# KiCad board poly_kb_molecule_5x4_wave.kicad_pcb (continued)
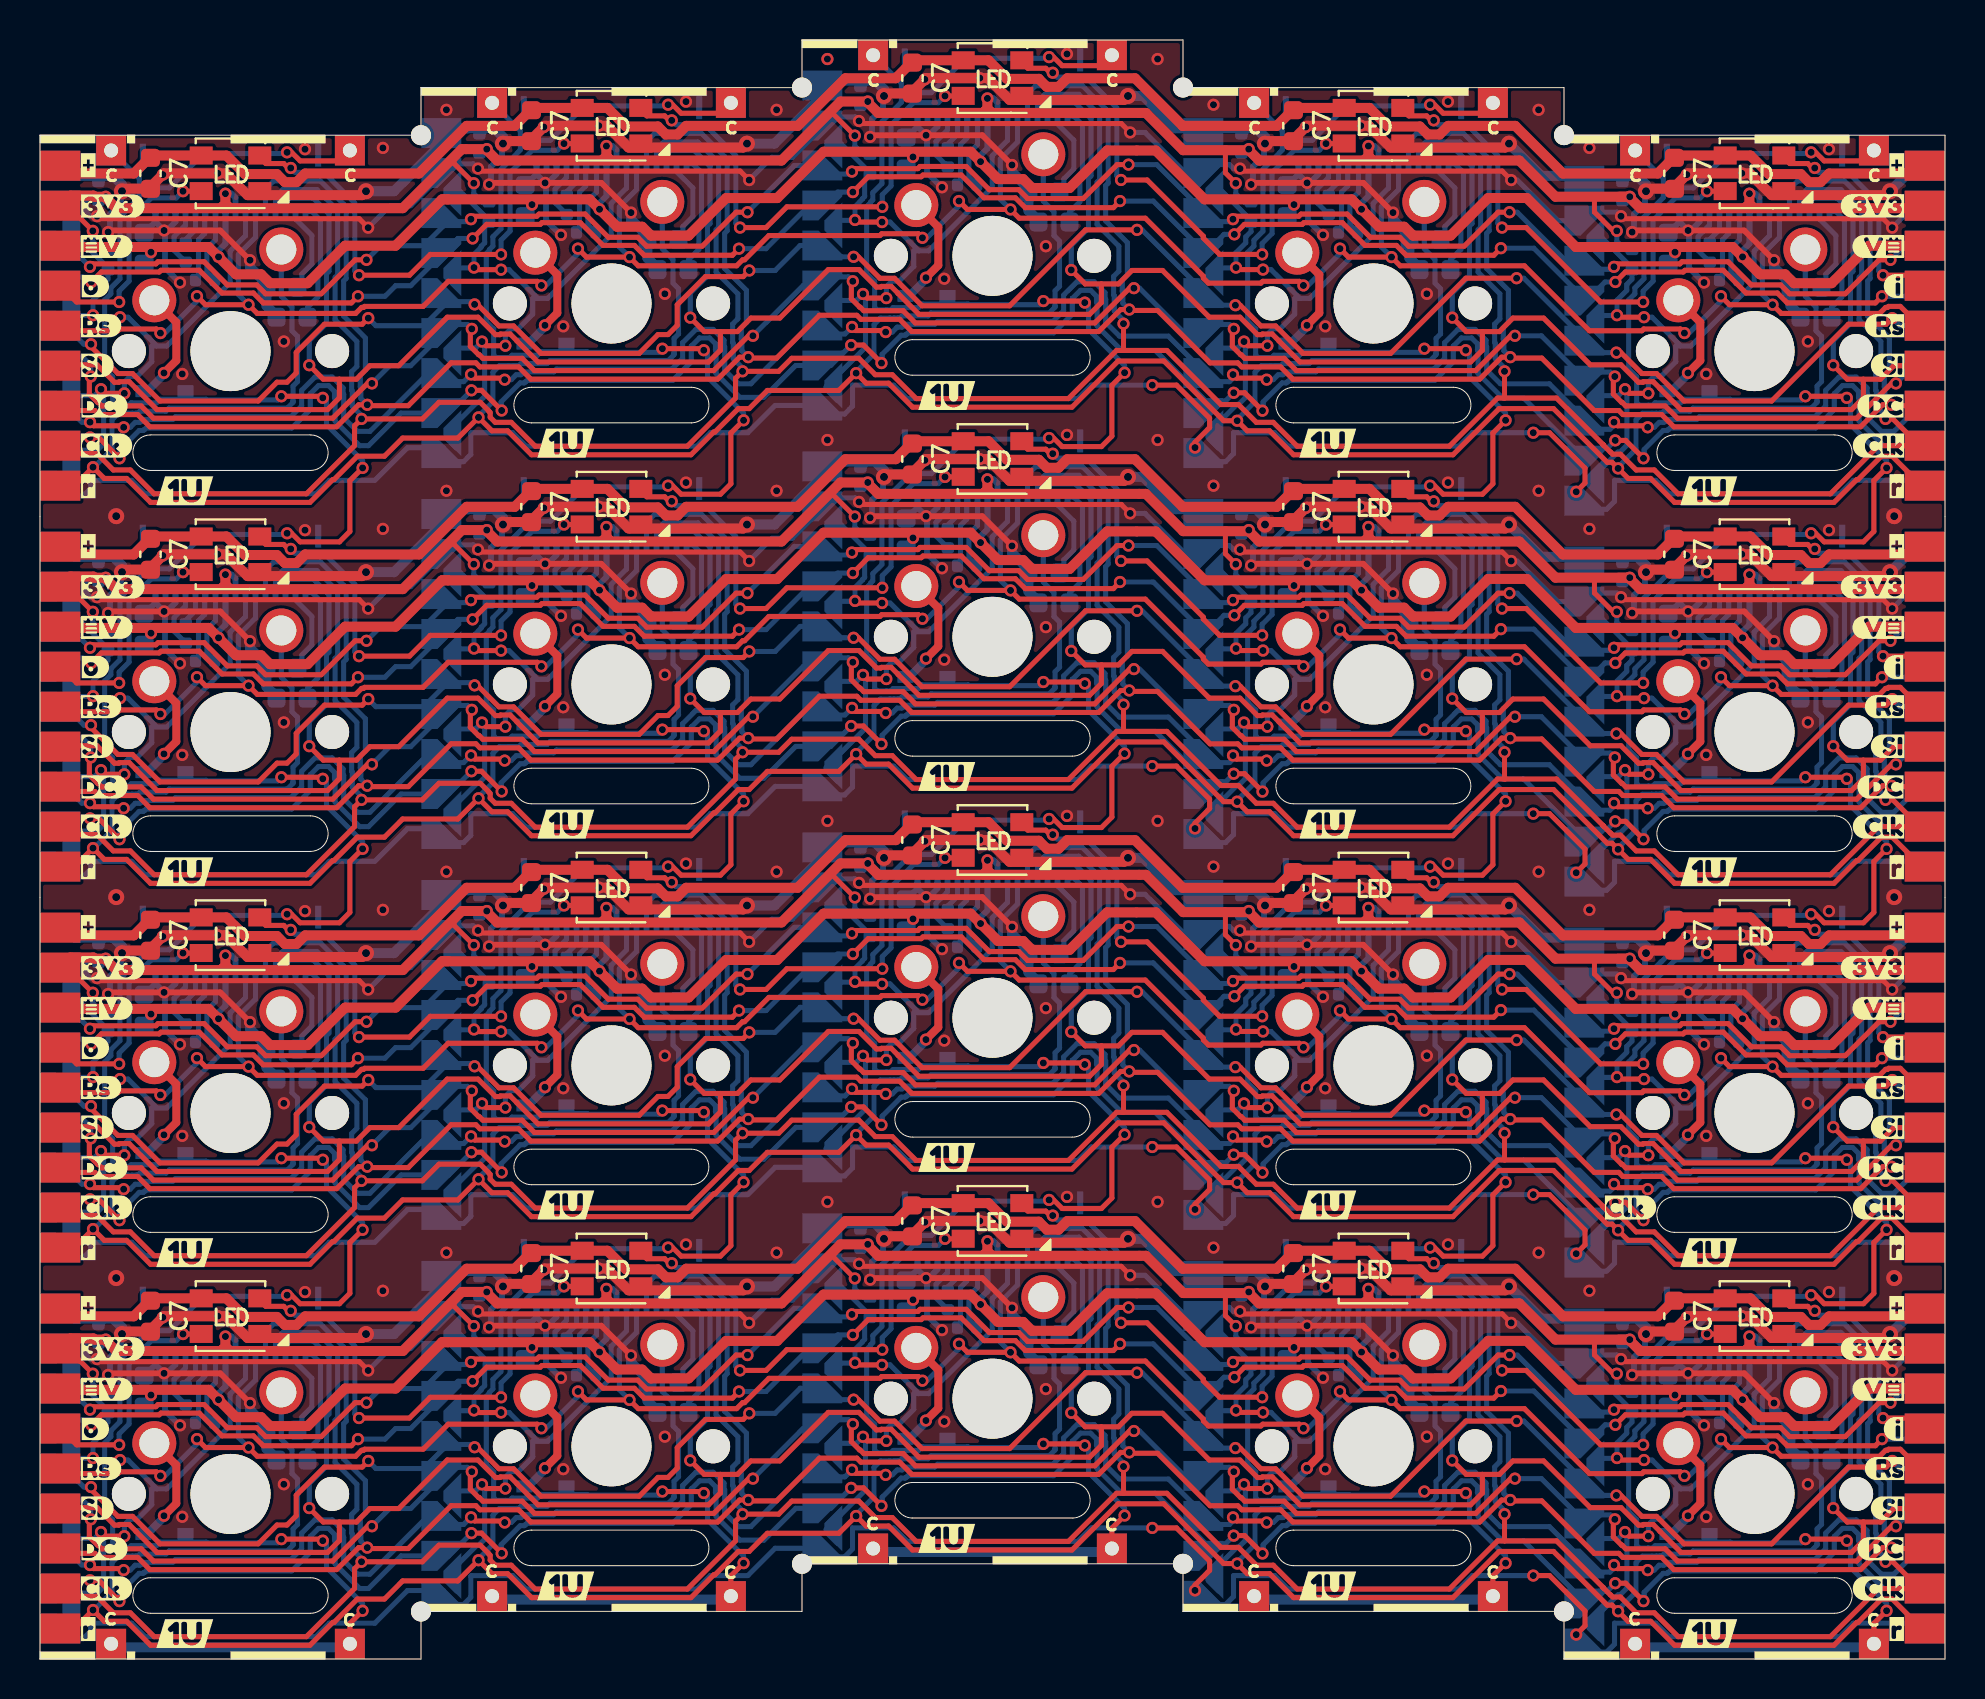
[diagram p0: board, top side]
## Routing (per net, layer and track width the routed paths; a pad name or vN(x,y) marks a point on that pad's centre or on a via; arc(x,y) is an arc through that point) (continued)
/Keyboard/sheet605ED2EB/D-C: length 733.5
  Top w0.254: 1.27,43.62 1.51,43.38 2.74,43.38 2.94,43.18 4.88,43.18 5.49,42.57 14.83,42.57 15.93,43.67 v1(16.36,43.67) 16.41,43.62 18.41,43.62 20.56,45.77 21.79,45.77 22,45.56 23.93,45.56 24.54,44.95 33.88,44.95 34.98,46.05 v1(35.41,46.05) 35.46,46.01 36.83,46.01 38.97,48.15 40.84,48.15 41.04,47.94 42.98,47.94 43.59,47.33 52.93,47.33 54.03,48.43 v1(54.46,48.43) 54.51,48.39 55.88,48.39 58.5,45.76 59.89,45.76 60.09,45.56 62.03,45.56 62.64,44.95 71.98,44.95 73.08,46.05 v1(73.51,46.05) 73.56,46.01 75.09,46.01 77.71,43.38 78.94,43.38 79.14,43.18 81.08,43.18 81.69,42.57 91.03,42.57 92.13,43.67 v1(92.56,43.67) 92.61,43.62 93.98,43.62 ; 1.27,24.58 1.51,24.33 2.74,24.33 2.94,24.13 4.88,24.13 5.49,23.52 14.83,23.52 15.93,24.62 v1(16.36,24.62) 16.41,24.58 18.41,24.58 20.56,26.72 21.79,26.72 22,26.51 23.93,26.51 24.54,25.9 33.88,25.9 34.98,27 v1(35.41,27) 35.46,26.96 36.83,26.96 38.97,29.1 40.84,29.1 41.04,28.89 42.98,28.89 43.59,28.28 52.93,28.28 54.03,29.38 v1(54.46,29.38) 54.51,29.34 55.88,29.34 58.5,26.71 59.89,26.71 60.09,26.51 62.03,26.51 62.64,25.9 71.98,25.9 73.08,27 v1(73.51,27) 73.56,26.96 75.09,26.96 77.71,24.33 78.94,24.33 79.14,24.13 81.08,24.13 81.69,23.52 91.03,23.52 92.13,24.62 v1(92.56,24.62) 92.61,24.58 93.98,24.58 ; 1.27,5.53 1.51,5.28 2.74,5.28 2.94,5.08 4.88,5.08 5.49,4.47 14.83,4.47 15.93,5.57 v1(16.36,5.57) 16.41,5.53 18.41,5.53 20.56,7.67 21.79,7.67 22,7.46 23.93,7.46 24.54,6.85 33.88,6.85 34.98,7.95 v1(35.41,7.95) 35.46,7.91 36.83,7.91 38.97,10.05 40.84,10.05 41.04,9.84 42.98,9.84 43.59,9.23 52.93,9.23 54.03,10.33 v1(54.46,10.33) 54.51,10.29 55.88,10.29 58.5,7.66 59.89,7.66 60.09,7.46 62.03,7.46 62.64,6.85 71.98,6.85 73.08,7.95 v1(73.51,7.95) 73.56,7.91 75.09,7.91 77.71,5.28 78.94,5.28 79.14,5.08 81.08,5.08 81.69,4.47 91.03,4.47 92.13,5.57 v1(92.56,5.57) 92.61,5.53 93.98,5.53 ; 93.98,62.67 92.61,62.67 v1(92.56,62.72) 92.13,62.72 91.03,61.62 81.69,61.62 81.08,62.23 79.14,62.23 78.94,62.43 77.71,62.43 75.09,65.06 73.56,65.06 v1(73.51,65.1) 73.08,65.1 71.98,64 62.64,64 62.03,64.61 60.09,64.61 59.89,64.81 58.5,64.81 55.88,67.44 54.51,67.44 v1(54.46,67.48) 54.03,67.48 52.93,66.38 43.59,66.38 42.98,66.99 41.04,66.99 40.84,67.2 38.97,67.2 36.83,65.06 35.46,65.06 v1(35.41,65.1) 34.98,65.1 33.88,64 24.54,64 23.93,64.61 22,64.61 21.79,64.82 20.56,64.82 18.41,62.67 16.41,62.67 v1(16.36,62.72) 15.93,62.72 14.83,61.62 5.49,61.62 4.88,62.23 2.94,62.23 2.74,62.43 1.51,62.43 1.27,62.67
  Bottom w0.254: 11.27,15.24 11.27,16.36 11.68,16.76 14.02,16.76 15.18,15.6 15.31,15.47 15.31,11.89 15.18,11.76 15.18,10 16.27,8.92 16.27,7.31 16.01,7.05 16.01,6.47 16.04,6.44 16.04,5.89 v1(16.36,5.57) ; v1(16.36,62.72) 16.04,63.04 16.04,63.59 16.01,63.62 16.01,64.2 16.27,64.46 16.27,66.07 15.18,67.15 15.18,68.91 15.31,69.04 15.31,72.62 15.18,72.75 14.02,73.91 11.68,73.91 11.27,73.5 11.27,72.39 ; v1(73.51,27) 73.19,27.32 73.19,27.87 73.16,27.91 73.16,28.48 73.42,28.74 73.42,30.35 72.33,31.44 72.33,33.2 72.46,33.32 72.46,36.9 72.33,37.03 72.33,37.03 71.17,38.2 68.83,38.2 68.43,37.79 J1#8.12 ; 11.27,53.34 11.27,54.45 11.68,54.86 14.02,54.86 15.18,53.7 15.31,53.57 15.31,49.99 15.18,49.86 15.18,48.1 16.27,47.02 16.27,45.41 16.01,45.15 16.01,44.57 16.04,44.54 16.04,43.99 v1(16.36,43.67) ; v1(92.56,5.57) 92.24,5.89 92.24,6.44 92.21,6.47 92.21,7.05 92.47,7.31 92.47,8.92 91.38,10 91.38,11.76 91.51,11.89 91.51,15.47 91.38,15.6 90.22,16.76 87.88,16.76 87.47,16.36 J1#19.12 ; J1#18.12 87.47,54.45 87.88,54.86 90.22,54.86 91.38,53.7 91.51,53.57 91.51,49.99 91.38,49.86 91.38,48.1 92.47,47.02 92.47,45.41 92.21,45.15 92.21,44.57 92.24,44.54 92.24,43.99 v1(92.56,43.67) ; J1#6.12 87.47,73.5 87.88,73.91 90.22,73.91 91.38,72.75 91.51,72.62 91.51,69.04 91.38,68.91 91.38,67.15 92.47,66.07 92.47,64.46 92.21,64.2 92.21,63.62 92.24,63.59 92.24,63.04 v1(92.56,62.72) ; v1(35.41,7.95) 35.09,8.27 35.09,8.82 35.06,8.86 35.06,9.43 35.32,9.69 35.32,11.3 34.23,12.39 34.23,14.15 34.36,14.27 34.36,17.85 34.23,17.98 34.23,17.98 33.07,19.15 30.73,19.15 30.33,18.74 J1#10.12 ; v1(54.46,29.38) 54.14,29.7 54.14,30.25 54.11,30.29 54.11,30.86 54.37,31.12 54.37,32.73 53.28,33.82 53.28,35.58 53.41,35.7 53.41,39.28 53.28,39.41 53.28,39.41 52.12,40.58 49.78,40.58 49.38,40.17 J1#9.12 ; v1(73.51,46.05) 73.19,46.37 73.19,46.92 73.16,46.96 73.16,47.53 73.42,47.79 73.42,49.4 72.33,50.49 72.33,52.25 72.46,52.37 72.46,55.95 72.33,56.08 72.33,56.08 71.17,57.25 68.83,57.25 68.43,56.84 J1#2.12 ; J1#4.12 49.38,78.27 49.78,78.68 52.12,78.68 53.28,77.51 53.28,77.51 53.41,77.38 53.41,73.8 53.28,73.68 53.28,71.92 54.37,70.83 54.37,69.22 54.11,68.96 54.11,68.39 54.14,68.35 54.14,67.8 v1(54.46,67.48) ; v1(35.41,27) 35.09,27.32 35.09,27.87 35.06,27.91 35.06,28.48 35.32,28.74 35.32,30.35 34.23,31.44 34.23,33.2 34.36,33.32 34.36,36.9 34.23,37.03 34.23,37.03 33.07,38.2 30.73,38.2 30.33,37.79 J1#5.12 ; J1#3.12 49.38,59.22 49.78,59.63 52.12,59.63 53.28,58.46 53.28,58.46 53.41,58.33 53.41,54.75 53.28,54.63 53.28,52.87 54.37,51.78 54.37,50.17 54.11,49.91 54.11,49.34 54.14,49.3 54.14,48.75 v1(54.46,48.43) ; J1#13.12 68.43,18.74 68.83,19.15 71.17,19.15 72.33,17.98 72.33,17.98 72.46,17.85 72.46,14.27 72.33,14.15 72.33,12.39 73.42,11.3 73.42,9.69 73.16,9.43 73.16,8.86 73.19,8.82 73.19,8.27 v1(73.51,7.95) ; J1#14.12 87.47,35.41 87.88,35.81 90.22,35.81 91.38,34.65 91.51,34.52 91.51,30.94 91.38,30.81 91.38,29.05 92.47,27.97 92.47,26.36 92.21,26.1 92.21,25.52 92.24,25.49 92.24,24.94 v1(92.56,24.62) ; J1#20.12 30.33,56.84 30.73,57.25 33.07,57.25 34.23,56.08 34.23,56.08 34.36,55.95 34.36,52.37 34.23,52.25 34.23,50.49 35.32,49.4 35.32,47.79 35.06,47.53 35.06,46.96 35.09,46.92 35.09,46.37 v1(35.41,46.05) ; 11.27,34.29 11.27,35.41 11.68,35.81 14.02,35.81 15.18,34.65 15.31,34.52 15.31,30.94 15.18,30.81 15.18,29.05 16.27,27.97 16.27,26.36 16.01,26.1 16.01,25.52 16.04,25.49 16.04,24.94 v1(16.36,24.62) ; v1(73.51,65.1) 73.19,65.42 73.19,65.97 73.16,66.01 73.16,66.58 73.42,66.84 73.42,68.45 72.33,69.54 72.33,71.3 72.46,71.42 72.46,75 72.33,75.13 72.33,75.13 71.17,76.3 68.83,76.3 68.43,75.89 J1#17.12 ; v1(54.46,10.33) 54.14,10.65 54.14,11.2 54.11,11.24 54.11,11.81 54.37,12.07 54.37,13.68 53.28,14.77 53.28,16.53 53.41,16.65 53.41,20.23 53.28,20.36 53.28,20.36 52.12,21.53 49.78,21.53 49.38,21.12 J1#16.12 ; v1(35.41,65.1) 35.09,65.42 35.09,65.97 35.06,66.01 35.06,66.58 35.32,66.84 35.32,68.45 34.23,69.54 34.23,71.3 34.36,71.42 34.36,75 34.23,75.13 34.23,75.13 33.07,76.3 30.73,76.3 30.33,75.89 J1#12.12
/Keyboard/sheet605ED2EB/KeyCol: length 897.8
  Top w0.254: v1(14.14,5.92) 14.06,5.99 v1(12.07,5.99) ; v1(33.19,27.35) 33.11,27.43 v1(31.12,27.43) ; v1(35.18,23.84) 34.54,23.21 34.54,20.67 34.02,20.15 32.06,20.15 31.63,20.58 v1(31.4,20.58) ; v1(35.18,42.89) 34.54,42.26 34.54,39.72 34.02,39.2 32.06,39.2 31.63,39.63 v1(31.4,39.63) ; v1(54.23,64.33) 53.59,63.69 53.59,61.15 53.07,60.63 51.11,60.63 50.68,61.06 v1(50.45,61.06) ; v1(54.23,45.28) 53.59,44.64 53.59,42.1 53.07,41.58 51.11,41.58 50.68,42.01 v1(50.45,42.01) ; v1(14.14,24.97) 14.06,25.04 v1(12.07,25.04) ; v1(52.24,48.78) 52.16,48.86 v1(50.17,48.86) ; v1(73.28,42.89) 72.64,42.26 72.64,39.72 72.12,39.2 70.16,39.2 69.73,39.63 v1(69.5,39.63) ; v1(31.12,8.38) 33.11,8.38 v1(33.19,8.3) ; v1(73.28,23.84) 72.64,23.21 72.64,20.67 72.12,20.15 70.16,20.15 69.73,20.58 v1(69.5,20.58) ; J2#3.1 72.12,77.3 70.16,77.3 69.73,77.73 v1(69.5,77.73) ; v1(88.27,5.99) 90.26,5.99 v1(90.34,5.92) ; v1(50.17,10.76) 52.16,10.76 v1(52.24,10.68) ; v1(14.14,44.02) 14.06,44.09 v1(12.07,44.09) ; v1(73.28,61.94) 72.64,61.31 72.64,58.77 72.12,58.25 70.16,58.25 69.73,58.68 v1(69.5,58.68) ; J2#5.1 53.07,79.68 51.11,79.68 50.68,80.11 v1(50.45,80.11) ; v1(92.33,40.51) 91.69,39.88 91.69,37.34 91.17,36.82 89.21,36.82 88.78,37.24 v1(88.55,37.24) ; v1(12.35,56.29) 12.58,56.29 13.01,55.87 14.97,55.87 15.49,56.39 15.49,58.93 v1(16.13,59.56) ; v1(50.17,67.91) 52.16,67.91 v1(52.24,67.83) ; v1(31.12,46.48) 33.11,46.48 v1(33.19,46.4) ; v1(88.27,44.09) 90.26,44.09 v1(90.34,44.02) ; v1(31.4,58.68) 31.63,58.68 32.06,58.25 34.02,58.25 34.54,58.77 34.54,61.31 v1(35.18,61.94) ; v1(16.13,2.41) 15.49,1.78 J9.1 ; v1(50.45,22.96) 50.68,22.96 51.11,22.53 53.07,22.53 53.59,23.05 53.59,25.59 v1(54.23,26.23) ; v1(88.55,18.19) 88.78,18.19 89.21,17.77 91.17,17.77 91.69,18.29 91.69,20.83 v1(92.33,21.46) ; v1(31.4,77.73) 31.63,77.73 32.06,77.3 34.02,77.3 J2#4.1 ; v1(88.27,63.14) 90.26,63.14 v1(90.34,63.07) ; J2.1 14.97,74.92 13.01,74.92 12.58,75.34 v1(12.35,75.34) ; J2#2.1 91.17,74.92 89.21,74.92 88.78,75.34 v1(88.55,75.34) ; v1(12.35,37.24) 12.58,37.24 13.01,36.82 14.97,36.82 15.49,37.34 15.49,39.88 v1(16.13,40.51) ; v1(71.29,46.4) 71.21,46.48 v1(69.22,46.48) ; v1(71.29,27.35) 71.21,27.43 v1(69.22,27.43) ; v1(50.17,29.81) 52.16,29.81 v1(52.24,29.73) ; v1(71.29,8.3) 71.21,8.38 v1(69.22,8.38) ; J9#4.1 53.59,6.54 v1(54.23,7.18) ; v1(73.28,4.79) 72.64,4.16 J9#2.1 ; v1(35.18,4.79) 34.54,4.16 J9#5.1 ; v1(88.27,25.04) 90.26,25.04 v1(90.34,24.97) ; v1(92.33,2.41) 91.69,1.78 J9#3.1 ; v1(16.13,21.46) 15.49,20.83 15.49,18.29 14.97,17.77 13.01,17.77 12.58,18.19 v1(12.35,18.19) ; v1(31.12,65.53) 33.11,65.53 v1(33.19,65.45) ; v1(12.07,63.14) 14.06,63.14 v1(14.14,63.07) ; v1(69.22,65.53) 71.21,65.53 v1(71.29,65.45) ; v1(92.33,59.56) 91.69,58.93 91.69,56.39 91.17,55.87 89.21,55.87 88.78,56.29 v1(88.55,56.29)
  Bottom w0.25: 27.39,65.34 27.35,65.38 25.06,65.38 25.02,65.34 ; 27.39,46.29 27.35,46.33 25.06,46.33 25.02,46.29 ; 44.07,29.62 44.11,29.66 46.4,29.66 46.44,29.62 ; 63.12,46.29 63.16,46.33 65.45,46.33 65.49,46.29 ; 8.34,24.86 8.3,24.9 6.01,24.9 5.97,24.86 ; 27.39,8.19 27.35,8.23 25.06,8.23 25.02,8.19 ; 84.54,43.91 84.5,43.95 82.21,43.95 82.17,43.91 ; 46.44,10.57 46.4,10.61 44.11,10.61 44.07,10.57 ; 8.34,43.91 8.3,43.95 6.01,43.95 5.97,43.91 ; 82.17,62.96 82.21,63 84.5,63 84.54,62.96 ; 63.12,27.24 63.16,27.28 65.45,27.28 65.49,27.24 ; 25.02,27.24 25.06,27.28 27.35,27.28 27.39,27.24 ; 5.97,62.96 6.01,63 8.3,63 8.34,62.96 ; 65.49,65.34 65.45,65.38 63.16,65.38 63.12,65.34 ; 65.49,8.19 65.45,8.23 63.16,8.23 63.12,8.19 ; 44.07,48.67 44.11,48.71 46.4,48.71 46.44,48.67 ; 5.97,5.81 6.01,5.85 8.3,5.85 8.34,5.81 ; 82.17,5.81 82.21,5.85 84.5,5.85 84.54,5.81 ; 44.07,67.72 44.11,67.76 46.4,67.76 46.44,67.72 ; 84.54,24.86 84.5,24.9 82.21,24.9 82.17,24.86
  Bottom w0.254: v1(31.4,39.63) 31.34,39.57 27.24,39.57 25.52,37.85 24.5,37.85 23.05,36.4 23.05,33.43 22.65,33.02 22.65,32.56 22.47,32.38 22.47,32.34 22.31,32.18 22.31,28.78 22.68,28.41 22.68,27.11 22.81,26.98 23.27,26.98 23.49,26.98 23.61,27.1 24.88,27.1 25.02,27.24 ; v1(31.4,58.68) 31.34,58.62 27.24,58.62 25.52,56.9 24.5,56.9 23.05,55.45 23.05,52.48 22.65,52.07 22.65,51.61 22.47,51.43 22.47,51.39 22.31,51.23 22.31,47.83 22.68,47.46 22.68,46.16 22.81,46.03 23.27,46.03 23.49,46.03 23.61,46.15 24.88,46.15 25.02,46.29 ; 43.07,78.33 43.07,78.8 42.88,78.98 42.87,78.98 J8#3.1 ; 43.07,78.33 44.57,78.33 46.29,80.05 50.39,80.05 v1(50.45,80.11) ; 43.07,78.33 43.07,77.85 42.1,76.88 42.1,73.79 41.64,73.33 41.64,72.97 41.53,72.86 41.53,72.83 41.33,72.63 41.33,69.29 41.73,68.89 41.73,67.59 41.86,67.46 42.32,67.46 42.54,67.46 42.66,67.58 43.93,67.58 44.07,67.72 ; 81.17,73.57 81.17,74.03 80.98,74.22 80.97,74.22 J8#2.1 ; 81.17,73.57 81.17,73.08 80.2,72.12 80.2,69.02 79.74,68.57 79.74,68.27 79.43,67.96 79.43,64.53 79.83,64.13 79.83,62.83 79.96,62.7 80.42,62.7 80.42,62.7 80.64,62.7 80.76,62.82 82.03,62.82 82.17,62.96 ; 81.17,73.57 82.67,73.57 84.39,75.29 88.49,75.29 v1(88.55,75.34) ; v1(54.23,7.18) 54.23,7.53 52.43,9.33 52.43,10.49 v1(52.24,10.68) ; 62.12,75.95 63.62,75.95 65.34,77.67 69.44,77.67 v1(69.5,77.73) ; 62.12,75.95 62.12,76.41 61.93,76.6 61.92,76.6 J8#4.1 ; 62.12,75.95 62.12,75.46 61.15,74.5 61.15,71.4 60.69,70.95 60.69,70.65 60.38,70.34 60.38,66.91 60.78,66.51 60.78,65.21 60.91,65.08 61.37,65.08 61.59,65.08 61.71,65.2 62.98,65.2 63.12,65.34 ; v1(71.29,65.45) 71.48,65.26 71.48,64.1 73.28,62.3 v1(73.28,61.94) ; 63.12,8.19 62.98,8.05 61.71,8.05 61.59,7.93 61.37,7.93 60.91,7.93 60.78,8.06 60.78,9.36 60.38,9.76 60.38,13.19 60.69,13.5 60.69,13.8 61.15,14.25 61.15,17.35 62.6,18.8 63.62,18.8 65.34,20.52 69.44,20.52 v1(69.5,20.58) ; 24.02,75.95 25.52,75.95 27.24,77.67 31.34,77.67 v1(31.4,77.73) ; 24.02,75.95 24.02,76.41 23.83,76.6 23.82,76.6 J8#5.1 ; 24.02,75.95 24.02,75.46 23.05,74.5 23.05,71.53 22.65,71.12 22.65,70.66 22.47,70.48 22.47,70.44 22.31,70.28 22.31,66.88 22.68,66.51 22.68,65.21 22.81,65.08 23.27,65.08 23.49,65.08 23.61,65.2 24.88,65.2 25.02,65.34 ; v1(92.33,59.56) 92.33,59.92 90.53,61.72 90.53,62.88 v1(90.34,63.07) ; v1(33.19,46.4) 33.38,46.21 33.38,45.05 35.18,43.25 v1(35.18,42.89) ; v1(69.22,65.53) 69.04,65.34 65.49,65.34 ; v1(12.35,56.29) 12.29,56.24 8.19,56.24 6.47,54.52 5.4,54.52 4.97,54.08 4.97,54.03 4,53.07 4,49.97 3.54,49.52 3.54,49.22 3.23,48.91 3.23,45.48 3.63,45.08 3.63,43.78 3.76,43.65 4.22,43.65 4.22,43.65 4.44,43.65 4.56,43.77 5.83,43.77 5.97,43.91 ; v1(92.33,2.41) 92.33,2.77 90.53,4.57 90.53,5.73 v1(90.34,5.92) ; v1(69.22,8.38) 69.04,8.19 65.49,8.19 ; v1(88.55,37.24) 88.49,37.19 84.39,37.19 82.67,35.47 81.67,35.47 81.06,34.86 81.04,34.86 80.2,34.02 80.2,30.92 79.74,30.47 79.74,30.17 79.43,29.86 79.43,26.43 79.83,26.03 79.83,24.73 79.96,24.6 80.42,24.6 80.42,24.6 80.64,24.6 80.76,24.72 82.03,24.72 82.17,24.86 ; v1(73.28,4.79) 73.28,5.15 71.48,6.95 71.48,8.11 v1(71.29,8.3) ; 44.07,10.57 43.93,10.43 42.66,10.43 42.54,10.31 42.32,10.31 41.86,10.31 41.73,10.44 41.73,11.74 41.33,12.14 41.33,15.48 41.53,15.68 41.53,15.71 41.64,15.82 41.64,16.18 42.1,16.64 42.1,19.73 43.55,21.18 44.57,21.18 46.29,22.9 50.39,22.9 v1(50.45,22.96) ; v1(71.29,46.4) 71.48,46.21 71.48,45.05 73.28,43.25 v1(73.28,42.89) ; 27.39,46.29 30.94,46.29 v1(31.12,46.48) ; 82.17,5.81 82.03,5.67 80.76,5.67 80.64,5.55 80.42,5.55 80.42,5.55 79.96,5.55 79.83,5.68 79.83,6.98 79.43,7.38 79.43,10.81 79.74,11.12 79.74,11.42 80.2,11.87 80.2,14.97 81.65,16.42 82.67,16.42 84.39,18.14 88.49,18.14 v1(88.55,18.19) ; v1(14.14,24.97) 14.33,24.78 14.33,23.62 16.13,21.82 v1(16.13,21.46) ; 8.34,43.91 11.89,43.91 v1(12.07,44.09) ; v1(50.17,10.76) 49.99,10.57 46.44,10.57 ; 5.97,24.86 5.83,24.72 4.56,24.72 4.44,24.6 4.22,24.6 4.22,24.6 3.76,24.6 3.63,24.73 3.63,26.03 3.23,26.43 3.23,29.86 3.54,30.17 3.54,30.47 4,30.92 4,34.02 5.45,35.47 6.47,35.47 8.19,37.19 12.29,37.19 v1(12.35,37.24) ; 65.49,27.24 69.04,27.24 v1(69.22,27.43) ; v1(69.5,39.63) 69.44,39.57 65.34,39.57 63.62,37.85 62.6,37.85 61.15,36.4 61.15,33.3 60.69,32.85 60.69,32.55 60.38,32.24 60.38,28.81 60.78,28.41 60.78,27.11 60.91,26.98 61.37,26.98 61.59,26.98 61.71,27.1 62.98,27.1 63.12,27.24 ; v1(50.17,67.91) 49.99,67.72 46.44,67.72 ; 8.34,24.86 11.89,24.86 v1(12.07,25.04) ; v1(92.33,40.51) 92.33,40.87 90.53,42.67 90.53,43.83 v1(90.34,44.02) ; v1(16.13,59.56) 16.13,59.92 14.33,61.72 14.33,62.88 v1(14.14,63.07) ; v1(33.19,27.35) 33.38,27.16 33.38,26 35.18,24.2 v1(35.18,23.84) ; 4.97,73.57 4.97,73.08 4,72.12 4,69.02 3.54,68.57 3.54,68.27 3.23,67.96 3.23,64.53 3.63,64.13 3.63,62.83 3.76,62.7 4.22,62.7 4.22,62.7 4.44,62.7 4.56,62.82 5.83,62.82 5.97,62.96 ; 4.97,73.57 6.47,73.57 8.19,75.29 12.29,75.29 v1(12.35,75.34) ; 4.97,73.57 4.97,74.03 4.78,74.22 4.77,74.22 J8.1 ; 63.12,46.29 62.98,46.15 61.71,46.15 61.59,46.03 61.37,46.03 60.91,46.03 60.78,46.16 60.78,47.46 60.38,47.86 60.38,51.29 60.69,51.6 60.69,51.9 61.15,52.35 61.15,55.45 62.6,56.9 63.62,56.9 65.34,58.62 69.44,58.62 v1(69.5,58.68) ; 27.39,65.34 30.94,65.34 v1(31.12,65.53) ; v1(12.35,18.19) 12.29,18.14 8.19,18.14 6.47,16.42 5.45,16.42 4,14.97 4,11.87 3.54,11.42 3.54,11.12 3.23,10.81 3.23,7.38 3.63,6.98 3.63,5.68 3.76,5.55 4.22,5.55 4.22,5.55 4.44,5.55 4.56,5.67 5.83,5.67 5.97,5.81 ; 84.54,24.86 88.09,24.86 v1(88.27,25.04) ; v1(54.23,64.33) 54.23,64.68 52.43,66.48 52.43,67.64 v1(52.24,67.83) ; 84.54,5.81 88.09,5.81 v1(88.27,5.99) ; v1(33.19,65.45) 33.38,65.26 33.38,64.1 35.18,62.3 v1(35.18,61.94) ; v1(54.23,45.28) 54.23,45.63 52.43,47.43 52.43,48.59 v1(52.24,48.78) ; v1(54.23,26.23) 54.23,26.58 52.43,28.38 52.43,29.54 v1(52.24,29.73) ; v1(12.07,63.14) 11.89,62.96 8.34,62.96 ; v1(31.4,20.58) 31.34,20.52 27.24,20.52 25.52,18.8 24.46,18.8 24.46,18.76 23.05,17.35 23.05,14.38 22.65,13.97 22.65,13.51 22.47,13.33 22.47,13.29 22.31,13.13 22.31,9.73 22.68,9.36 22.68,8.06 22.81,7.93 23.27,7.93 23.49,7.93 23.61,8.05 24.88,8.05 25.02,8.19 ; v1(73.28,23.84) 73.28,24.2 71.48,26 71.48,27.16 v1(71.29,27.35) ; v1(88.27,44.09) 88.09,43.91 84.54,43.91 ; 44.07,48.67 43.93,48.53 42.66,48.53 42.54,48.41 42.32,48.41 41.86,48.41 41.73,48.54 41.73,49.84 41.33,50.24 41.33,53.58 41.53,53.78 41.53,53.81 41.64,53.92 41.64,54.28 42.1,54.74 42.1,57.83 43.55,59.28 44.57,59.28 46.29,61 50.39,61 v1(50.45,61.06) ; 8.34,5.81 11.89,5.81 v1(12.07,5.99) ; v1(50.17,29.81) 49.99,29.62 46.44,29.62 ; v1(50.45,42.01) 50.39,41.95 46.29,41.95 44.57,40.23 43.55,40.23 42.1,38.78 42.1,35.69 41.64,35.23 41.64,34.87 41.53,34.76 41.53,34.73 41.33,34.53 41.33,31.19 41.73,30.79 41.73,29.49 41.86,29.36 42.32,29.36 42.54,29.36 42.66,29.48 43.93,29.48 44.07,29.62 ; v1(33.19,8.3) 33.38,8.11 33.38,6.95 35.18,5.15 v1(35.18,4.79) ; v1(69.22,46.48) 69.04,46.29 65.49,46.29 ; v1(50.17,48.86) 49.99,48.67 46.44,48.67 ; v1(92.33,21.46) 92.33,21.82 90.53,23.62 90.53,24.78 v1(90.34,24.97) ; v1(31.12,8.38) 30.94,8.19 27.39,8.19 ; 82.17,43.91 82.03,43.77 80.76,43.77 80.64,43.65 80.42,43.65 80.42,43.65 79.96,43.65 79.83,43.78 79.83,45.08 79.43,45.48 79.43,48.91 79.74,49.22 79.74,49.52 80.2,49.97 80.2,53.07 81.65,54.52 82.67,54.52 84.39,56.24 88.49,56.24 v1(88.55,56.29) ; 27.39,27.24 30.94,27.24 v1(31.12,27.43) ; 84.54,62.96 88.09,62.96 v1(88.27,63.14) ; v1(14.14,5.92) 14.33,5.73 14.33,4.57 16.13,2.77 v1(16.13,2.41) ; v1(16.13,40.51) 16.13,40.87 14.33,42.67 14.33,43.83 v1(14.14,44.02)
  Bottom w0.5: J7.1 79.93,0.59 91.52,0.59 J9#3.1 ; J9#4.1 53.42,5.35 41.83,5.35 J7#2.1 ; J9#2.1 72.47,2.97 60.88,2.97 J7#3.1 ; J9#5.1 34.37,2.97 22.78,2.97 J7#5.1 ; J9.1 15.32,0.59 3.73,0.59 J7#4.1
/Keyboard/sheet605ED2EB/KeyRow: length 830.4
  Top w0.254: J4.9 94.08,1.53 92.61,3 92.07,3 90.9,1.83 90.84,1.83 89.7,0.69 81.73,0.69 80.53,1.89 79.41,1.89 v1(78.91,2.39) 78.6,2.69 78.36,2.69 75.68,5.38 72.96,5.38 70.65,3.07 62.68,3.07 61.48,4.27 60.36,4.27 v1(59.86,4.77) 59.18,4.77 56.19,7.76 53.91,7.76 51.6,5.45 43.63,5.45 42.43,6.65 41.31,6.65 v1(40.81,7.15) 39.94,6.29 36.37,6.29 35.46,5.38 34.92,5.38 33.75,4.21 33.69,4.21 32.55,3.07 24.58,3.07 23.38,4.27 22.6,4.27 v1(21.93,4.94) 20.89,3.91 18.13,3.91 17.22,3 15.87,3 14.7,1.83 14.64,1.83 13.5,0.69 5.53,0.69 4.33,1.89 3.21,1.89 v1(2.65,2.45) 1.73,1.53 1.27,1.53 ; 1.27,20.58 1.73,20.58 v1(2.65,21.5) 3.21,20.94 4.33,20.94 5.53,19.74 13.5,19.74 14.64,20.88 14.7,20.88 15.87,22.05 17.22,22.05 18.13,22.96 20.89,22.96 v1(21.93,23.99) 22.6,23.32 23.38,23.32 24.58,22.12 32.55,22.12 33.69,23.26 33.75,23.26 34.92,24.43 35.46,24.43 36.37,25.34 39.94,25.34 v1(40.81,26.2) 41.31,25.7 42.43,25.7 43.63,24.5 51.6,24.5 53.91,26.81 56.19,26.81 59.18,23.82 v1(59.86,23.82) 60.36,23.32 61.48,23.32 62.68,22.12 70.65,22.12 72.96,24.43 75.68,24.43 78.36,21.74 78.6,21.74 v1(78.91,21.44) 79.41,20.94 80.53,20.94 81.73,19.74 89.7,19.74 90.84,20.88 90.9,20.88 92.07,22.05 92.61,22.05 94.08,20.58 J4#2.9 ; J4#4.9 94.08,58.67 92.61,60.15 92.07,60.15 90.9,58.98 90.84,58.98 89.7,57.84 81.73,57.84 80.53,59.04 79.41,59.04 v1(78.91,59.54) 78.6,59.84 78.36,59.84 75.68,62.53 72.96,62.53 70.65,60.22 62.68,60.22 61.48,61.42 60.36,61.42 v1(59.86,61.92) 59.18,61.92 56.19,64.91 53.91,64.91 51.6,62.6 43.63,62.6 42.43,63.8 41.31,63.8 v1(40.81,64.3) 39.94,63.44 36.37,63.44 35.46,62.53 34.92,62.53 33.75,61.36 33.69,61.36 32.55,60.22 24.58,60.22 23.38,61.42 22.6,61.42 v1(21.93,62.09) 20.89,61.06 18.13,61.06 17.22,60.15 15.87,60.15 14.7,58.98 14.64,58.98 13.5,57.84 5.53,57.84 4.33,59.04 3.21,59.04 v1(2.65,59.6) 1.73,58.67 1.27,58.67 ; J4#3.9 94.08,39.62 92.61,41.1 92.07,41.1 90.9,39.93 90.84,39.93 89.7,38.79 81.73,38.79 80.53,39.99 79.41,39.99 v1(78.91,40.49) 78.6,40.79 78.36,40.79 75.68,43.48 72.96,43.48 70.65,41.17 62.68,41.17 61.48,42.37 60.36,42.37 v1(59.86,42.87) 59.18,42.87 56.19,45.86 53.91,45.86 51.6,43.55 43.63,43.55 42.43,44.75 41.31,44.75 v1(40.81,45.25) 39.94,44.39 36.37,44.39 35.46,43.48 34.92,43.48 33.75,42.31 33.69,42.31 32.55,41.17 24.58,41.17 23.38,42.37 22.6,42.37 v1(21.93,43.04) 20.89,42.01 18.13,42.01 17.22,41.1 15.87,41.1 14.7,39.93 14.64,39.93 13.5,38.79 5.53,38.79 4.33,39.99 3.21,39.99 v1(2.65,40.55) 1.73,39.62 1.27,39.62
  Bottom w0.254: 61.95,64.68 61.76,64.68 61.76,64.68 61.54,64.68 61.07,64.68 60.75,64.35 60.75,62.88 59.86,61.99 v1(59.86,61.92) ; 61.95,64.68 61.95,64.68 ; 61.95,64.68 62.05,64.68 62.15,64.78 63.45,64.78 63.61,64.94 69.52,64.94 69.8,65.22 69.8,65.26 69.8,65.28 69.8,65.28 69.8,66.04 70.03,66.26 70.03,68.52 69.75,68.8 69.75,69.99 69.22,70.52 SW1#5.1 ; 81,43.25 80.81,43.25 80.81,43.24 80.59,43.24 80.59,43.24 80.12,43.24 79.8,42.92 79.8,41.45 78.91,40.56 v1(78.91,40.49) ; 81,43.25 81.1,43.25 81.2,43.35 82.5,43.35 82.66,43.51 88.57,43.51 88.85,43.79 88.85,43.83 88.85,43.83 88.85,43.85 88.85,43.85 88.85,44.61 89.08,44.83 89.08,47.09 88.8,47.37 88.8,48.56 88.26,49.09 SW1#3.1 ; 81,43.25 81,43.25 ; 23.85,26.58 23.66,26.58 23.66,26.58 23.44,26.58 22.97,26.58 22.65,26.25 22.65,24.78 21.93,24.06 v1(21.93,23.99) ; 23.85,26.58 23.95,26.58 24.05,26.68 25.35,26.68 25.51,26.84 31.42,26.84 31.7,27.12 31.7,27.16 31.7,27.18 31.7,27.18 31.7,27.94 31.93,28.16 31.93,30.42 31.65,30.7 31.65,31.89 31.12,32.42 SW1#12.1 ; 23.85,26.58 23.85,26.58 ; 4.8,62.3 4.61,62.3 4.61,62.29 4.39,62.29 4.39,62.29 3.92,62.29 3.6,61.97 3.6,60.5 3.6,60.5 2.7,59.6 v1(2.65,59.6) ; 4.8,62.3 4.8,62.3 ; 4.8,62.3 4.9,62.3 5,62.4 6.3,62.4 6.46,62.56 12.37,62.56 12.65,62.84 12.65,62.88 12.65,62.88 12.65,62.9 12.65,62.9 12.65,63.66 12.88,63.88 12.88,66.14 12.6,66.42 12.6,67.61 12.07,68.14 SW1.1 ; 61.95,7.53 61.76,7.53 61.76,7.53 61.54,7.53 61.07,7.53 60.75,7.2 60.75,5.73 59.86,4.84 v1(59.86,4.77) ; 61.95,7.53 62.05,7.53 62.15,7.63 63.45,7.63 63.61,7.79 69.52,7.79 69.8,8.07 69.8,8.11 69.8,8.13 69.8,8.13 69.8,8.89 70.03,9.11 70.03,11.37 69.75,11.65 69.75,12.84 69.22,13.37 SW1#13.1 ; 61.95,7.53 61.95,7.53 ; 23.85,45.63 23.85,45.63 ; 23.85,45.63 23.95,45.63 24.05,45.73 25.35,45.73 25.51,45.89 31.42,45.89 31.7,46.17 31.7,46.21 31.7,46.23 31.7,46.23 31.7,46.99 31.93,47.21 31.93,49.47 31.65,49.75 31.65,50.94 31.12,51.47 SW1#19.1 ; 23.85,45.63 23.66,45.63 23.66,45.63 23.44,45.63 22.97,45.63 22.65,45.3 22.65,43.83 21.93,43.11 v1(21.93,43.04) ; 4.8,43.25 4.61,43.25 4.61,43.24 4.39,43.24 4.39,43.24 3.92,43.24 3.6,42.92 3.6,41.45 3.6,41.45 2.7,40.55 v1(2.65,40.55) ; 4.8,43.25 4.8,43.25 ; 4.8,43.25 4.9,43.25 5,43.35 6.3,43.35 6.46,43.51 12.37,43.51 12.65,43.79 12.65,43.83 12.65,43.83 12.65,43.85 12.65,43.85 12.65,44.61 12.88,44.83 12.88,47.09 12.6,47.37 12.6,48.56 12.07,49.09 SW1#4.1 ; 81,5.15 80.81,5.15 80.81,5.14 80.59,5.14 80.59,5.14 80.12,5.14 79.8,4.82 79.8,3.35 78.91,2.46 v1(78.91,2.39) ; 81,5.15 81.1,5.15 81.2,5.25 82.5,5.25 82.66,5.41 88.57,5.41 88.85,5.69 88.85,5.73 88.85,5.73 88.85,5.75 88.85,5.75 88.85,6.51 89.08,6.73 89.08,8.99 88.8,9.27 88.8,10.46 88.26,10.99 SW1#18.1 ; 81,5.15 81,5.15 ; 61.95,45.63 61.76,45.63 61.76,45.63 61.54,45.63 61.07,45.63 60.75,45.3 60.75,43.83 59.86,42.94 v1(59.86,42.87) ; 61.95,45.63 61.95,45.63 ; 61.95,45.63 62.05,45.63 62.15,45.73 63.45,45.73 63.61,45.89 69.52,45.89 69.8,46.17 69.8,46.21 69.8,46.23 69.8,46.23 69.8,46.99 70.03,47.21 70.03,49.47 69.75,49.75 69.75,50.94 69.22,51.47 SW1#14.1 ; SW1#11.1 50.16,53.85 50.7,53.32 50.7,52.13 50.98,51.86 50.98,49.59 50.75,49.37 50.75,48.62 50.75,48.61 50.75,48.6 50.75,48.59 50.75,48.55 50.47,48.27 44.56,48.27 44.4,48.11 43.1,48.11 43,48.01 42.9,48.01 ; 61.95,26.58 61.95,26.58 ; 61.95,26.58 61.76,26.58 61.76,26.58 61.54,26.58 61.07,26.58 60.75,26.25 60.75,24.78 59.86,23.89 v1(59.86,23.82) ; 61.95,26.58 62.05,26.58 62.15,26.68 63.45,26.68 63.61,26.84 69.52,26.84 69.8,27.12 69.8,27.16 69.8,27.18 69.8,27.18 69.8,27.94 70.03,28.16 70.03,30.42 69.75,30.7 69.75,31.89 69.22,32.42 SW1#20.1 ; SW1#7.1 12.07,30.04 12.6,29.51 12.6,28.32 12.88,28.04 12.88,25.78 12.65,25.56 12.65,24.8 12.65,24.8 12.65,24.78 12.65,24.78 12.65,24.74 12.37,24.46 6.46,24.46 6.3,24.3 5,24.3 4.9,24.2 4.8,24.2 ; 4.8,24.2 4.8,24.2 ; 4.8,24.2 4.61,24.2 4.61,24.19 4.39,24.19 4.39,24.19 3.92,24.19 3.6,23.87 3.6,22.4 3.6,22.4 2.7,21.5 v1(2.65,21.5) ; SW1#15.1 50.16,34.8 50.7,34.27 50.7,33.08 50.98,32.81 50.98,30.54 50.75,30.32 50.75,29.57 50.75,29.56 50.75,29.55 50.75,29.54 50.75,29.5 50.47,29.22 44.56,29.22 44.4,29.06 43.1,29.06 43,28.96 42.9,28.96 ; 4.8,5.15 4.9,5.15 5,5.25 6.3,5.25 6.46,5.41 12.37,5.41 12.65,5.69 12.65,5.73 12.65,5.73 12.65,5.75 12.65,5.75 12.65,6.51 12.88,6.73 12.88,8.99 12.6,9.27 12.6,10.46 12.07,10.99 SW1#8.1 ; 4.8,5.15 4.61,5.15 4.61,5.14 4.39,5.14 4.39,5.14 3.92,5.14 3.6,4.82 3.6,3.35 3.6,3.35 2.7,2.45 v1(2.65,2.45) ; 4.8,5.15 4.8,5.15 ; v1(40.81,64.3) 40.81,64.37 41.7,65.26 41.7,66.73 42.02,67.06 42.49,67.06 42.71,67.06 42.71,67.06 42.9,67.06 ; 81,62.3 80.81,62.3 80.81,62.29 80.59,62.29 80.59,62.29 80.12,62.29 79.8,61.97 79.8,60.5 78.91,59.61 v1(78.91,59.54) ; 81,62.3 81.1,62.3 81.2,62.4 82.5,62.4 82.66,62.56 88.57,62.56 88.85,62.84 88.85,62.88 88.85,62.88 88.85,62.9 88.85,62.9 88.85,63.66 89.08,63.88 89.08,66.14 88.8,66.42 88.8,67.61 88.26,68.14 SW1#10.1 ; 81,62.3 81,62.3 ; 42.9,67.06 43,67.06 43.1,67.16 44.4,67.16 44.56,67.32 50.47,67.32 50.75,67.6 50.75,67.64 50.75,67.65 50.75,67.66 50.75,67.67 50.75,68.42 50.98,68.64 50.98,70.91 50.7,71.18 50.7,72.37 50.16,72.9 SW1#2.1 ; 42.9,67.06 42.9,67.06 ; v1(78.91,21.44) 78.91,21.51 79.8,22.4 79.8,23.87 80.12,24.19 80.59,24.19 80.59,24.19 80.81,24.19 80.81,24.2 81,24.2 ; 42.9,9.91 42.71,9.91 42.71,9.91 42.49,9.91 42.02,9.91 41.7,9.58 41.7,8.11 40.81,7.22 v1(40.81,7.15) ; 42.9,9.91 42.9,9.91 ; 42.9,9.91 43,9.91 43.1,10.01 44.4,10.01 44.56,10.17 50.47,10.17 50.75,10.45 50.75,10.49 50.75,10.5 50.75,10.51 50.75,10.52 50.75,11.27 50.98,11.49 50.98,13.76 50.7,14.03 50.7,15.22 50.16,15.75 SW1#9.1 ; v1(21.93,4.94) 21.93,5.01 22.65,5.73 22.65,7.2 22.97,7.53 23.44,7.53 23.66,7.53 23.66,7.53 23.85,7.53 ; 42.9,48.01 42.9,48.01 ; 42.9,48.01 42.71,48.01 42.71,48.01 42.49,48.01 42.02,48.01 41.7,47.68 41.7,46.21 40.81,45.32 v1(40.81,45.25) ; 42.9,28.96 42.9,28.96 ; 42.9,28.96 42.71,28.96 42.71,28.96 42.49,28.96 42.02,28.96 41.7,28.63 41.7,27.16 40.81,26.27 v1(40.81,26.2) ; 23.85,64.68 23.95,64.68 24.05,64.78 25.35,64.78 25.51,64.94 31.42,64.94 31.7,65.22 31.7,65.26 31.7,65.28 31.7,65.28 31.7,66.04 31.93,66.26 31.93,68.52 31.65,68.8 31.65,69.99 31.12,70.52 SW1#6.1 ; 23.85,64.68 23.66,64.68 23.66,64.68 23.44,64.68 22.97,64.68 22.65,64.35 22.65,62.88 21.93,62.16 v1(21.93,62.09) ; 23.85,64.68 23.85,64.68 ; 23.85,7.53 23.85,7.53 ; 23.85,7.53 23.95,7.53 24.05,7.63 25.35,7.63 25.51,7.79 31.42,7.79 31.7,8.07 31.7,8.11 31.7,8.13 31.7,8.13 31.7,8.89 31.93,9.11 31.93,11.37 31.65,11.65 31.65,12.84 31.12,13.37 SW1#16.1 ; 81,24.2 81.1,24.2 81.2,24.3 82.5,24.3 82.66,24.46 88.57,24.46 88.85,24.74 88.85,24.78 88.85,24.78 88.85,24.8 88.85,24.8 88.85,25.56 89.08,25.78 89.08,28.04 88.8,28.32 88.8,29.51 88.26,30.04 SW1#17.1 ; 81,24.2 81,24.2
